# KiCad board TERES_PCB1-A64-MAIN_Rev.B.kicad_pcb (continued)
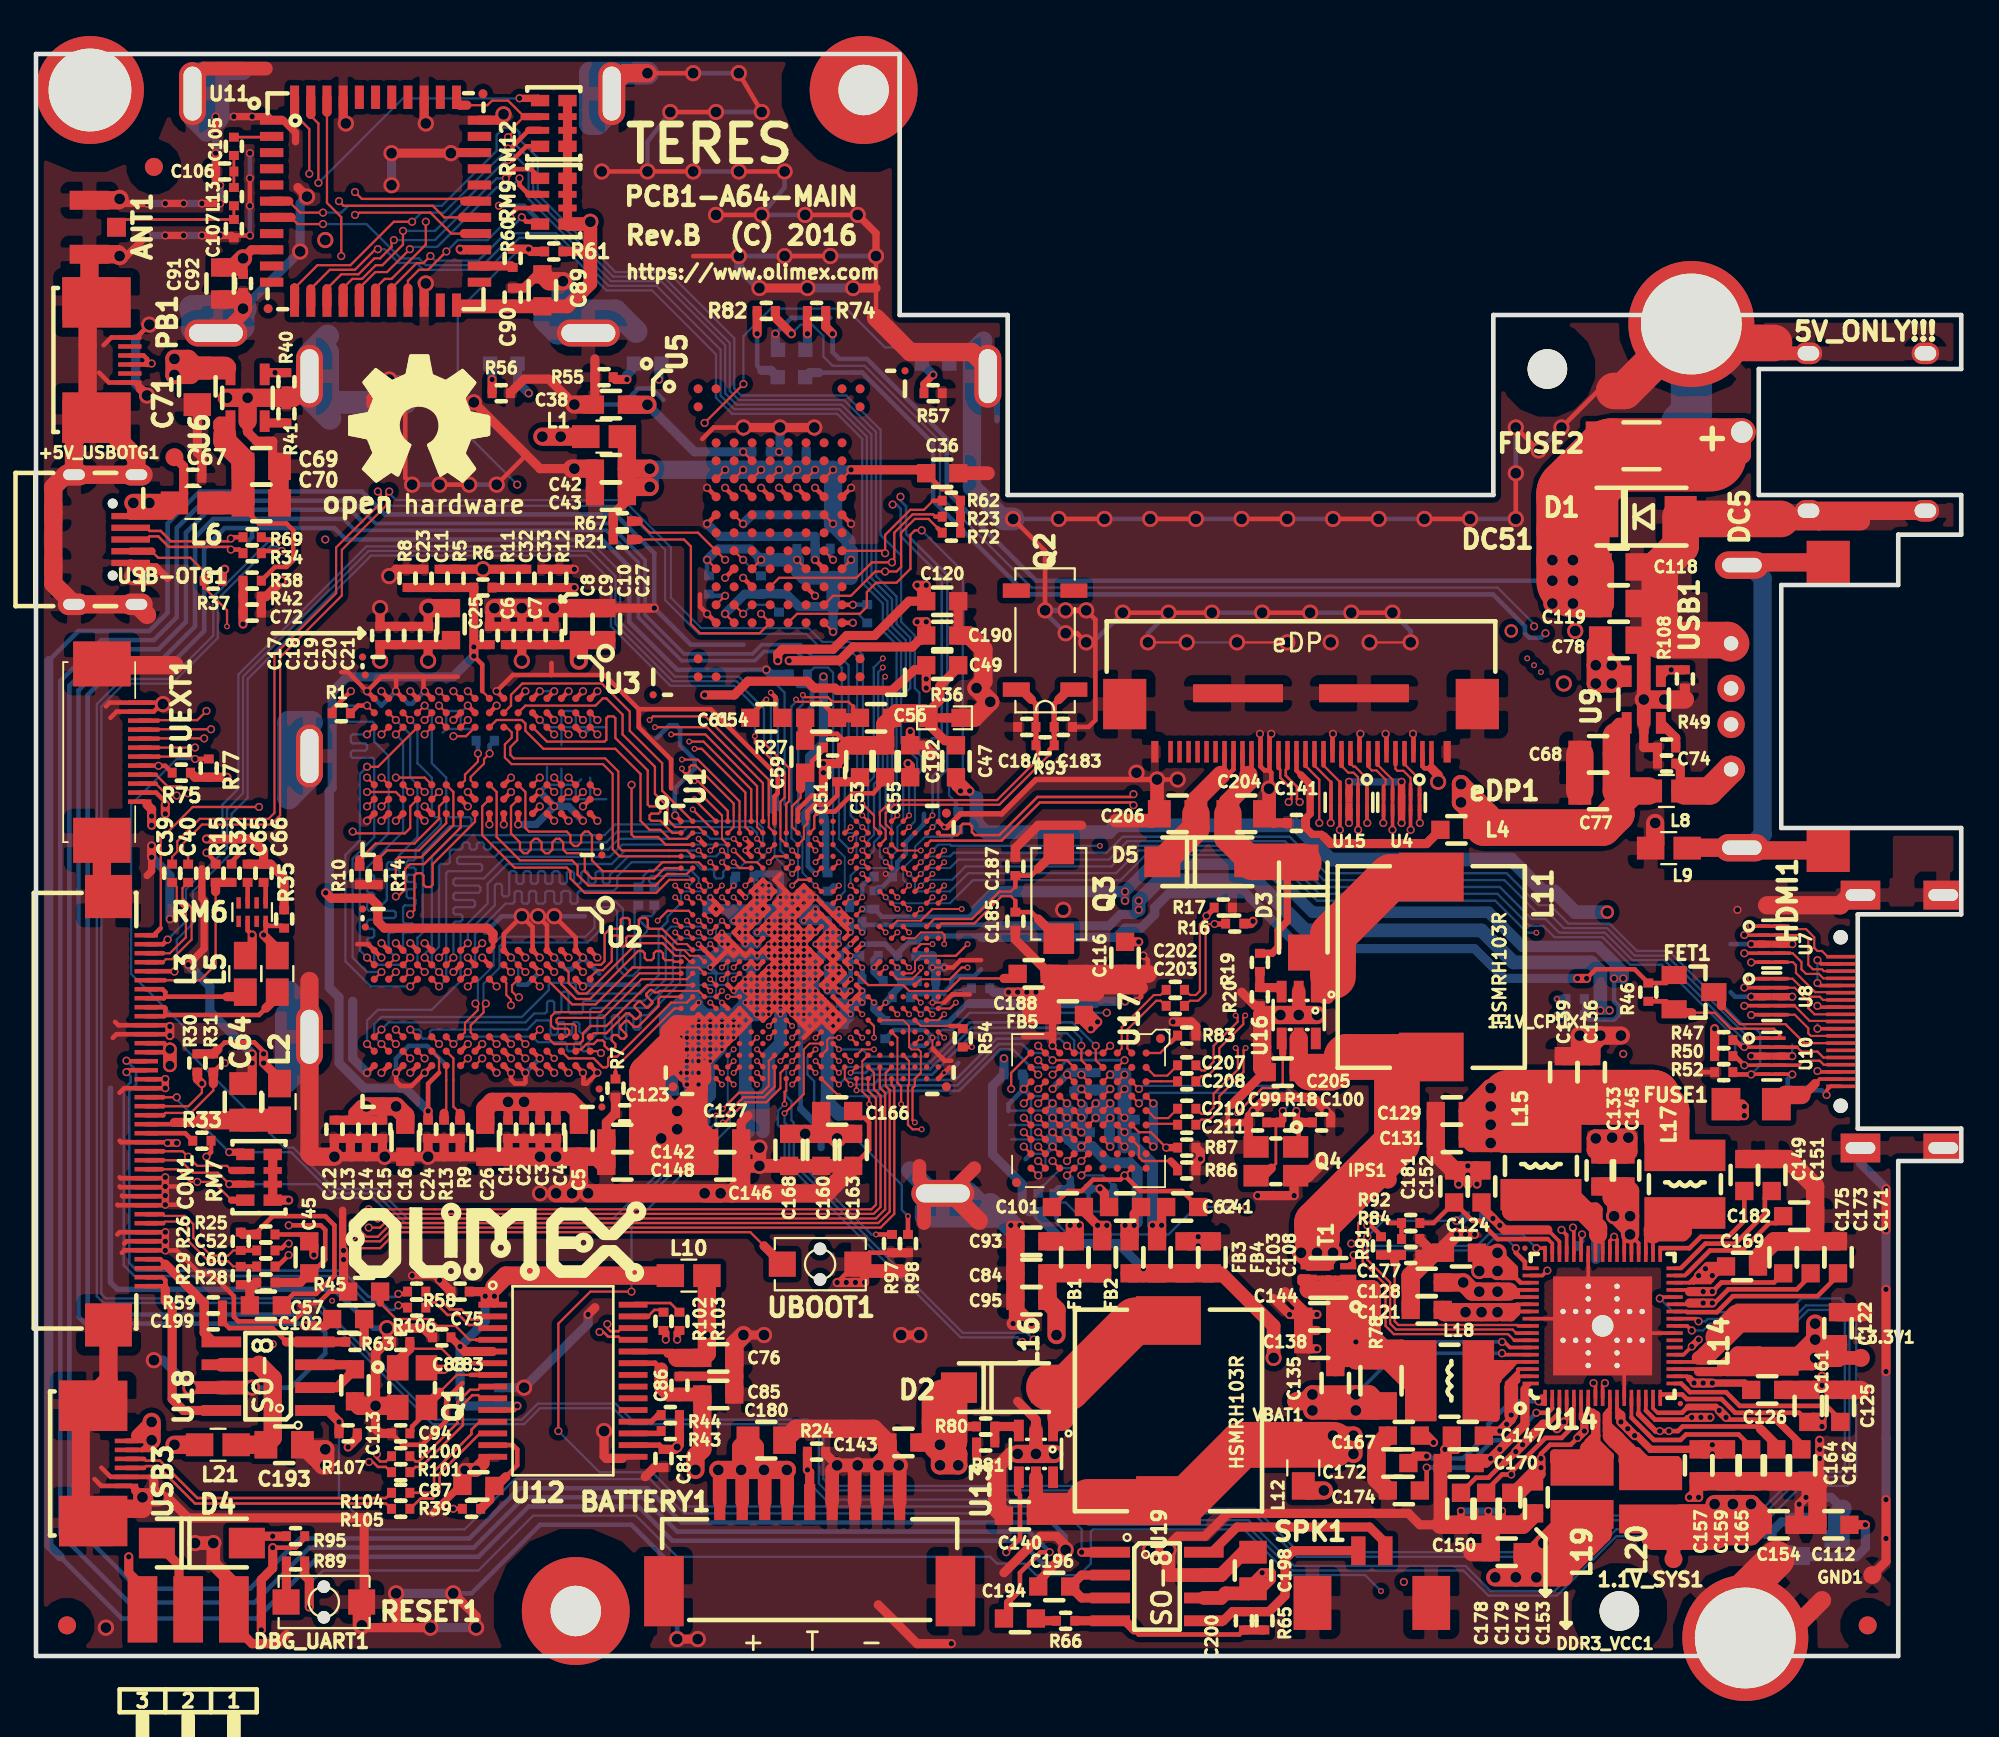
[diagram p0: board, top side]
## Routing (per net, layer and track width the routed paths; a pad name or vN(x,y) marks a point on that pad's centre or on a via; arc(x,y) is an arc through that point) (continued)
GNDA: length 128
  Top w0.254: 42.35,46.79 42.35,46.7 ; 42.35,46.79 U1.A11 ; 42.35,46.79 42.35,47.02 43.13,47.8 43.64,47.8 43.76,47.93 ; 45.16,50.6 44.53,51.23 43.13,51.23 C59.2 ; v2(14.05,23.93) 15.82,23.93 16.08,23.67 16.08,22.02 15.32,21.26 C45.1
  Top w0.508: 45.16,50.6 44.91,50.6 R27.2 44.78,49.84 C51.2 v2(43.76,49.58) v2(43.76,49.07) 43.76,47.93 ; v2(9.47,45.39) 12.01,45.39 12.65,44.76 C66.1 ; C66.1 C65.1 ; C66.1 13.03,43.99 13.79,43.23 R35.1 ; C45.1 14.68,20.75 R28.2 ; C47.1 50.88,50.85 50.52,50.85 49.61,51.76 R36.2 49.61,52.48 50.24,53.12 50.24,53.9 51.26,54.91 C49.2
  Top w0.762: C59.2 C54.1
  Top w1.016: 45.16,50.6 C53.2 C55.2 47.19,51.74 C56.1 47.83,52.38 49.35,52.38 R36.2
  In3.Cu w0.508: v2(14.05,23.93) 13.28,24.69 13.28,29.52 11.25,31.55 11.25,33.2 10.24,34.21 10.24,35.61 9.22,36.63 9.22,43.48 8.71,43.99 8.71,45.01 9.09,45.39 v2(9.47,45.39) 9.47,48.56 11.25,50.34 11.25,53.26 15.19,57.2 15.19,62.28 18.87,65.96 26.87,65.96 27.76,65.08 31.7,65.08 34.37,62.41 34.37,59.61 35.38,58.6 35.38,57.96 37.16,56.19 38.56,56.19 39.83,54.91 39.83,53.01 40.59,52.25 40.84,52.25 43.51,49.58 v2(43.76,49.58) v2(43.76,49.07)
  Bottom w0.406: C50.1 43.89,46.32 43.89,43.62 C46.2
  Bottom w0.508: C50.1 43.76,46.44 v2(43.76,49.07) v2(43.76,49.58)
VBAT: length 95.4
  Top w0.203: v2(81.48,16.82) 81.56,16.74 U14.64
  Top w0.762: v1(37.92,10.34) 38,10.26 BATTERY1.9 ; v1(39.19,10.34) 39.25,10.28 BATTERY1.8 ; v1(40.46,10.34) 40.5,10.3 BATTERY1.7 ; v1(41.73,10.34) 41.75,10.32 BATTERY1.6
  Top w1.016: 41.73,10.34 v1(41.73,10.34) v1(40.46,10.34) ; v1(40.46,10.34) v1(39.19,10.34) ; v1(40.46,10.34) 40.46,10.34 ; v1(40.46,10.34) 39.95,10.85 39.95,11.61 C180.2 39.19,11.61 v1(39.19,10.34) ; v1(39.19,10.34) 39.19,10.34 ; v1(39.19,10.34) v1(37.92,10.34) 37.92,10.34 ; v1(73.35,13.64) 74.5,13.64 R78.2 74.12,14.53 v1(73.35,14.53) ; v1(73.35,13.64) v1(73.35,14.53) ; v1(73.35,13.64) 72.21,13.64 ; v1(73.35,14.53) v1(70.94,14.53) ; 72.21,13.64 v1(70.94,13.64) v1(70.94,14.53) ; 72.21,13.64 C135.2 ; v1(70.94,14.53) 70.56,14.15 VBAT1.1
  In3.Cu w1.016: v1(73.35,14.53) 72.34,15.55 70.05,15.55 69.42,14.91 69.42,13.64 v1(70.94,13.64) ; v1(73.35,14.53) v1(73.35,13.64) v1(70.94,13.64) ; v1(73.35,14.53) v1(70.94,14.53) v1(70.94,13.64) ; 41.35,9.7 39.83,9.7 v1(39.19,10.34) ; 41.35,9.7 43.13,7.92 ; 41.35,9.7 41.73,10.08 v1(41.73,10.34) v1(40.46,10.34) v1(39.19,10.34) ; 38.43,9.83 v1(37.92,10.34) v1(39.19,10.34)
  In3.Cu w2.032: 38.43,9.83 40.34,7.92 41.73,7.92
  In3.Cu w4.064: 69.42,13.64 64.34,8.56 53.03,8.56 52.4,7.92 41.73,7.92
  Bottom w0.203: v2(81.48,16.82) 75.64,16.82 v1(73.35,14.53)
VCC-PE: length 10.1
  Top w0.203: 91.77,19.1 91.73,19.14 U14.28
  Top w0.254: 91.77,19.1 93.42,19.1 94.31,19.99 99.01,19.99 100.15,21.13 C171.1
VCC-PL: length 183.1
  Top w0.107: U1.T17 v4(46.57,36.3)
  Top w0.127: U1.J16 v4(45.93,41.5)
  Top w0.203: 91.9,19.61 91.83,19.54 U14.29
  Top w0.254: C173.1 98.63,21.13 97.87,20.37 94.06,20.37 93.29,19.61 v2(93.17,19.61)
  Top w0.508: 91.9,19.61 v2(92.66,19.61) v2(93.17,19.61) ; 23.7,74.98 23.44,74.98 U11.22 ; RM9.1.1 RM9.2.1 RM9.3.1 RM9.4.1 RM12.1.1 RM12.2.1 RM12.3.1 RM12.4.1 ; R61.2 30.81,78.03
  Top w0.762: RM9.1.1 30.68,79.55 v1(30.81,79.68) 30.81,76.25 29.54,74.98 C89.2 C90.2 23.7,74.98
  In3.Cu w0.508: v2(87.71,37.64) v2(88.21,37.64) 89.87,37.64 91.39,36.12 91.39,31.55 93.8,29.13 93.8,23.17 94.69,22.28 94.69,20.62 93.68,19.61 v2(93.17,19.61) v2(92.66,19.61) ; v2(60.53,36.37) v2(60.53,41.96) v2(60.53,42.47) 60.53,44.5 59,46.02 59,52.12 52.78,58.34 52.78,61.27 52.02,62.03 52.02,66.6 44.53,74.09 38.94,74.09 33.35,79.68 v1(30.81,79.68)
  Bottom w0.254: R88.2 R90.2 86.31,35.36 87.71,35.36 87.96,35.61 87.96,36.12 87.71,36.37 v2(87.71,37.64) ; C109.1 47.02,41.07 51.87,41.07 52.3,41.5
  Bottom w0.305: 51.89,36.25 51.75,36.25 50.7,35.2 47.31,35.2 C110.2
  Bottom w0.406: C109.1 46.59,41.5 v4(45.93,41.5) ; C110.2 46.57,35.93 v4(46.57,36.3)
  Bottom w0.508: 51.89,36.25 58.88,36.25 59,36.37 v2(60.53,36.37) ; v2(60.53,42.47) v2(60.53,41.96) ; v2(88.21,37.64) v2(87.71,37.64) 87.71,38.53
  Bottom w0.635: v2(88.21,37.64) 88.21,38.02 86.82,39.42 82.63,39.42 80.72,41.33 70.94,41.33 68.28,43.99 62.05,43.99 v2(60.53,42.47) 53.27,42.47 52.3,41.5
VDDFB-CPUX: length 81.5
  Top w0.107: U1.T6 v4(38.45,36.62)
  Top w0.203: U14.42 87.47,23.06 v2(87.71,23.29) 87.87,23.13 U14.41
  In4.Cu w0.254: v2(87.71,23.29) 86.31,24.69 84.66,24.69 83.64,25.7 78.18,25.7 77.04,24.56 73.74,24.56 72.47,23.29 69.93,23.29 65.74,19.1 36.27,19.1 31.7,23.67 31.7,29.13 32.97,30.4 32.97,32.44 36.4,35.86 38.43,35.86 38.68,36.12 38.68,36.39 v4(38.45,36.62)
/eDP LCD/BKLT_ON: length 75.6
  Top w0.107: U1.AC10 41.7,31.42
  Top w0.127: 71.97,48.55 71.06,49.47 ; v4(66.75,30.15) 68.15,31.55 69.04,31.55 69.29,31.8 69.29,33.45 ; 41.7,31.42 41.6,31.33 v4(41.6,30.66)
  Top w0.203: v2(71.96,46.28) 71.97,46.3 U15.6 U15.5 71.97,48.55
  Top w0.254: 71.06,49.47 eDP1.14
  Top w0.406: 69.29,33.45 69.29,34.25 U16.4
  In3.Cu w0.127: v2(71.96,46.28) 71.96,45.9 71.45,45.39 71.2,45.39 66.88,41.07 66.88,40.44 64.97,38.53 64.97,34.21 66.75,32.44 v4(66.75,30.15) 66.75,20.37 64.59,18.21 58.12,18.21 56.97,17.07 55.19,17.07 v2(54.81,17.45)
  Bottom w0.127: v2(54.81,17.45) 54.56,17.7 51.38,17.7 41.6,27.48 41.6,29.13 41.22,29.52 41.22,30.28 v4(41.6,30.66)
/eDP LCD/BKLT_PWM: length 71.2
  Top w0.107: 42.68,31.22 42.68,33.7 43,34.03 U1.Y13
  Top w0.127: v2(71.32,46.28) 71.32,48.69 70.56,49.45 ; 42.68,31.22 v4(41.6,30.15)
  Top w0.254: 70.56,49.46 70.56,49.45 eDP1.15
  In3.Cu w0.127: v2(55.45,17.58) 56.34,18.47 64.47,18.47 66.37,20.37 66.37,32.44 64.72,34.09 64.72,38.66 66.62,40.56 66.62,41.2 71.32,45.9 v2(71.32,46.28)
  Bottom w0.127: v4(41.6,30.15) 41.6,29.64 41.86,29.39 41.86,27.61 51.51,17.96 55.07,17.96 v2(55.45,17.58)
/eDP LCD/eDP_AGND: length 39.9
  Top w0.127: v2(57.3,32.3) U17.F3 ; U17.B9 v2(60.5,26.7) ; U17.A4 v2(62.1,30.7) ; U17.A7 v2(62.1,28.3) ; U17.E3 v2(58.1,32.3) ; U17.G3 v2(56.5,31.5)
  Top w0.254: C101.1 57.35,25.83 58.12,25.83 58.75,26.47 60.27,26.47 v2(60.5,26.7) 61.37,25.83 63.7,25.83 C41.1
  Top w0.508: v2(59,35.23) v2(58.62,34.85) 58.24,35.23 FB5.1 58.62,35.61 v2(59,35.23)
  In3.Cu w0.127: 59.7,33.3 59.3,33.7 59.3,34.6
  In3.Cu w0.406: 59.9,33.3 60.3,33.7 ; v2(57.3,32.3) v2(56.5,31.5)
  In3.Cu w0.508: 58.87,34.6 v2(58.62,34.85) v2(59,35.23) ; 58.87,34.6 59,34.6 v2(59,35.23) ; 58.87,34.6 60.2,34.6 60.7,34.1 ; v2(60.5,26.7) 60.9,26.7 62.1,27.9 v2(62.1,28.3) v2(62.1,30.7) 62.1,31.6 61.1,32.6 61.1,33.7 60.7,34.1 ; 60.7,34.1 60.3,33.7 ; v2(59,35.23) 59,35.23 ; 59.9,33.3 59.7,33.3 58.7,32.3 v2(58.1,32.3) v2(57.3,32.3)
  Bottom w0.406: v2(56.5,31.5) v2(57.3,32.3)
  Bottom w0.508: v2(62.1,28.3) 62.1,28.79 C48.1 C58.1 62.1,29.81 v2(62.1,30.7) ; C111.1 58.21,32.41 v2(58.1,32.3) 57.99,32.41 C104.1 57.41,32.41 v2(57.3,32.3)
/eDP LCD/EDP_AUX+: length 4.9
  Top w0.119: U17.C1 60.34,33.74 60.34,34.93 62.13,36.72 62.5,36.72 62.79,37.01 C202.1
/eDP LCD/EDP_AUX-: length 4.3
  Top w0.119: C203.1 62.79,36.12 62.5,36.4 62.26,36.4 60.66,34.8 60.66,33.74 U17.B1
/eDP LCD/EDP_AUX_N: length 26.5
  Top w0.119: 75.56,49.54 75.56,49.28 75.66,49.18 76,49.18 76.4,48.78 76.4,48.44 ; v2(65.5,40.67) 65.15,40.67 65,40.52 65,36.82 64.59,36.4 64.14,36.4 63.85,36.12 C203.2
  Top w0.203: v2(76.4,45.9) 76.4,45.91 U4.9 U4.2 76.4,48.44
  Top w0.254: 75.56,49.54 eDP1.5
  Top w0.305: v2(65.5,40.67) 66.09,40.67 R16.2
  In3.Cu w0.097: v2(76.4,45.9) 76.4,46.93 76.19,47.14 71.26,47.14 70.47,46.34 70.47,45.83 66.01,41.37 65.76,41.37 65.5,41.12 v2(65.5,40.67)
/eDP LCD/EDP_AUX_P: length 26
  Top w0.119: C202.2 63.85,37.01 64.14,36.72 64.46,36.72 64.69,36.95 64.69,40.65 65.05,41.02 v2(65.05,41.12) ; 76.9,48.44 76.9,48.45 76.69,48.65 76.69,48.91 76.06,49.55
  Top w0.203: v2(76.91,46.28) 76.9,46.3 U4.10 U4.1 76.9,48.44
  Top w0.254: 76.06,49.55 eDP1.4
  Top w0.305: v2(65.05,41.12) 65.48,41.55 R17.2
  In3.Cu w0.097: v2(76.91,46.28) 76.72,46.47 76.72,47.1 76.36,47.45 71.13,47.45 70.15,46.47 70.15,45.96 65.88,41.69 65.63,41.69 v2(65.05,41.12)
/eDP LCD/EDP_HPD_CON: length 41.9
  Top w0.127: 72.47,48.56 71.56,49.47
  Top w0.203: v2(72.47,45.9) 72.47,45.91 U15.7 U15.4 72.47,48.56
  Top w0.254: 71.56,49.47 eDP1.13
  In3.Cu w0.127: v2(72.47,45.9) 72.34,45.9 71.58,45.14 71.32,45.14 67.13,40.95 67.13,40.31 65.23,38.41 65.23,34.34 67.13,32.44 67.13,25.2 67.26,25.07 v2(67.26,24.94)
  Bottom w0.127: 56.72,24.31 56.72,24.05 57.35,23.42 62.94,23.42 64.47,24.94 v2(67.26,24.94)
  Bottom w0.254: 56.72,24.31 56.72,24.56 R22.2
/eDP LCD/EDP_LANE0+: length 2.2
  Top w0.119: C207.1 62.88,32.25 62.15,32.25 U17.A2
/eDP LCD/EDP_LANE0-: length 1.8
  Top w0.119: C208.1 61.73,31.93 U17.A3
/eDP LCD/EDP_LANE0_N: length 24.3
  Top w0.119: v4(67.21,35.59) 67.1,35.48 67.1,35.1 65.77,33.77 65.77,32.88 65.1,32.21 64.78,32.21 64.49,31.93 C208.2 ; 74.56,49.52 75.4,48.68
  Top w0.127: 75.4,48.31 75.4,48.68
  Top w0.203: v2(75.39,45.9) 75.4,45.91 U4.7 U4.4 75.4,48.31
  Top w0.254: 74.56,49.52 eDP1.7
  In3.Cu w0.097: v2(75.39,45.9) 75.1,45.9 74.88,45.67 74.88,44.66 74.18,43.96 73.04,43.96 70.72,41.64 70.72,40.63 67.1,37.01 67.1,35.69 v4(67.21,35.59)
/eDP LCD/EDP_LANE0_P: length 23.8
  Top w0.119: C207.2 64.49,32.82 64.78,32.53 64.97,32.53 65.45,33.01 65.45,33.9 66.78,35.23 66.78,35.48 v4(66.67,35.59) ; 74.9,48.33 75.01,48.44 75.01,48.69 74.5,49.2 74.24,49.2 74.06,49.39 74.06,49.45
  Top w0.203: v2(74.88,46.28) 74.9,46.3 U4.6 U4.5 74.9,48.33
  Top w0.254: eDP1.8 74.06,49.45 74.06,49.51
  In3.Cu w0.097: v2(74.88,46.28) 74.88,46.12 74.56,45.81 74.56,44.79 74.05,44.28 72.91,44.28 70.4,41.77 70.4,40.76 66.78,37.14 66.78,35.69 v4(66.67,35.59)
/eDP LCD/EDP_LANE1+: length 2.1
  Top w0.119: C210.1 62.93,29.88 62.19,29.88 61.78,30.3 U17.A5
/eDP LCD/EDP_LANE1-: length 1.8
  Top w0.119: 63.32,29.57 61.77,29.57 U17.A6 ; 63.32,29.64 C211.1
/eDP LCD/EDP_LANE1_N: length 26.9
  Top w0.119: 73.06,49.58 73.23,49.41 73.31,49.41 73.77,48.95 73.77,48.65 73.97,48.45 73.97,48.44 ; C211.2 64.49,29.52 64.78,29.8 65.23,29.8 65.77,30.34 65.77,31.1 67.11,32.45 67.11,33.66 v4(67.23,33.78)
  Top w0.203: v2(73.99,46.28) 73.97,46.3 U15.10 U15.1 73.97,48.44
  Top w0.254: 73.06,49.62 73.06,49.58 eDP1.10
  In3.Cu w0.097: v2(73.99,46.28) 73.99,45.31 73.53,44.85 72.55,44.85 69.58,41.88 69.58,41.01 66.13,37.56 66.13,35.19 67.11,34.2 67.11,33.9 v4(67.23,33.78)
/eDP LCD/EDP_LANE1_P: length 26.6
  Top w0.119: 73.47,48.44 73.47,48.83 73.23,49.07 72.94,49.07 72.56,49.45 ; C210.2 64.49,30.4 64.78,30.12 65.1,30.12 65.45,30.47 65.45,31.23 66.8,32.58 66.8,33.66 v4(66.67,33.78)
  Top w0.203: v2(73.48,45.9) 73.47,45.91 U15.9 U15.2 73.47,48.44
  Top w0.254: eDP1.11 72.56,49.45 72.56,49.49
  In3.Cu w0.097: v2(73.48,45.9) 73.67,45.71 73.67,45.44 73.4,45.17 72.41,45.17 69.26,42.01 69.26,41.14 65.81,37.69 65.81,35.06 66.8,34.07 66.8,33.9 v4(66.67,33.78)
/eDP LCD/eDP_RESET: length 28.9
  Top w0.127: v2(62.81,28.25) 61.96,29.1 61.3,29.1 U17.B6 ; U1.Y14 v4(44.62,33.7)
  Top w0.406: R87.1 v2(62.81,28.25)
  In3.Cu w0.127: v2(59.51,35.74) 59.74,35.51 60.01,35.51 61.54,33.98 61.54,32.82 62.56,31.8 62.56,28.5 v2(62.81,28.25)
  Bottom w0.107: 50.15,34.03 50.15,34.58
  Bottom w0.127: 50.15,34.58 50.38,34.8 50.95,34.8 51.89,35.74 v2(59.51,35.74) ; 50.15,34.03 49.43,33.3 46.32,33.3 45.93,33.7 v4(44.62,33.7)
/eDP LCD/HUSB3+: length 85.4
  Top w0.142: 69.06,49.34 69.15,49.24 69.15,48.79 69.78,48.17 69.78,47.6 v2(69.62,47.44) ; v2(18.51,10.78) 18.73,10.78 19,10.5 19.44,10.5 19.74,10.21 19.76,10.21
  Top w0.254: eDP1.18 69.06,49.34
  In3.Cu w0.119: v2(18.51,10.78) 18.51,11.97 19.06,12.52 20.59,12.52 24.14,16.08 50.3,16.08 54.24,20.02 63.51,20.02 65.33,21.83 65.33,32.18 63.8,33.71 63.8,41.44 69.62,47.26 v2(69.62,47.44)
/eDP LCD/HUSB3-: length 85.5
  Top w0.142: 19.76,11.1 19.74,11.1 19.44,10.81 19.13,10.81 18.94,11 v2(18.94,11.21) ; v2(70.23,47.44) 70.08,47.6 70.08,48.29 69.46,48.91 69.46,49.24 69.56,49.34
  Top w0.254: eDP1.17 69.56,49.34
  In3.Cu w0.119: v2(70.23,47.44) 64.11,41.32 64.11,33.83 65.63,32.31 65.63,21.7 63.64,19.71 54.37,19.71 50.43,15.77 24.27,15.77 20.71,12.22 19.19,12.22 19,12.03 19,11.86 19.13,11.73 19.38,11.73 19.51,11.61 19.51,11.48 19.38,11.35 19.08,11.35 v2(18.94,11.21)
/eDP LCD/LCDB2: length 12.3
  Top w0.107: 48.53,33.05 48.53,31.75
  Top w0.127: v4(49.22,29.26) 48.72,29.26 48.46,29.52 48.46,31.69 48.53,31.75 ; U17.H8 v2(55.7,28.3) ; U1.AA20 48.53,33.05
  In3.Cu w0.127: v2(55.7,28.3) 55.3,28.7 52.96,28.7 52.4,29.26 v4(49.22,29.26)
/eDP LCD/LCDB3: length 13.6
  Top w0.107: 45.93,33.05 45.93,31.35 46.3,30.97
  Top w0.127: U1.AA17 45.93,33.05 ; U17.H7 v2(55.7,29.1) ; 46.3,30.97 v4(46.3,30.66)
  In3.Cu w0.127: v2(55.7,29.1) 55.3,29.5 53.18,29.5 52.65,30.02 47.57,30.02 46.94,30.66 v4(46.3,30.66)
/eDP LCD/LCDB4: length 12.7
  Top w0.107: 47.88,34.35 47.88,31.85
  Top w0.127: v4(48.08,30.66) 48.08,31.64 47.88,31.85 ; 47.88,34.35 U1.W19 ; U17.H6 v2(55.7,29.9)
  In3.Cu w0.127: v2(55.7,29.9) 55.3,30.3 53.39,30.3 53.03,30.66 v4(48.08,30.66)
/eDP LCD/LCDB5: length 14
  Top w0.127: U1.AA14 v4(44.62,33.05) ; U17.J8 v2(54.9,28.3)
  In3.Cu w0.107: 44.95,32.72 44.95,31.42 44.95,31.42
  In3.Cu w0.127: 44.95,31.42 46.09,30.28 46.81,30.28 48.21,28.88 52.27,28.88 52.85,28.3 v2(54.9,28.3) ; v4(44.62,33.05) 44.95,32.72
/eDP LCD/LCDB6: length 14.7
  Top w0.107: 49.18,32.4 49.18,33.58 49.05,33.7 48.65,33.7 48.53,33.83 48.53,35 48.2,35.33 47.55,35.33
  Top w0.127: v4(48.84,29.64) 48.72,29.77 48.72,31.55 48.84,31.67 48.84,32.07 49.18,32.4 ; U17.J7 v2(54.9,29.1) ; U1.V18 47.55,35.33
  In3.Cu w0.127: v4(48.84,29.64) 52.53,29.64 53.07,29.1 v2(54.9,29.1)
/eDP LCD/LCDB7: length 12.4
  Top w0.127: U17.J6 v2(54.9,29.9) ; v4(45.28,33.05) U1.AA15
  In3.Cu w0.127: v2(54.9,29.9) 53.28,29.9 52.91,30.28 47.83,30.28 47.19,30.91 46.69,30.91 45.67,31.93 45.67,32.66 v4(45.28,33.05)
/eDP LCD/LCDCL: length 20.2
  Top w0.127: U17.J4 v2(54.9,30.7) ; U1.AB13 v4(43.32,33.05)
  In3.Cu w0.107: 43.65,33.38 44.83,33.38
  In3.Cu w0.127: v4(43.32,33.05) 43.65,33.38 ; 45.92,33.33 45.92,33.16 45.82,33.06 45.82,32.92 45.96,32.78 46.1,32.78 46.38,33.06 46.52,33.06 46.67,32.92 46.67,32.78 46.06,32.17 46.06,32.03 46.21,31.89 46.35,31.89 47.09,32.63 47.23,32.63 47.37,32.49 47.37,32.35 46.63,31.61 46.63,31.47 46.77,31.33 46.91,31.33 47.66,32.07 47.8,32.07 47.94,31.93 47.94,31.79 47.57,31.42 47.57,31.17 47.7,31.04 47.96,31.04 48.21,31.29 48.46,31.29 48.72,31.04 53.16,31.04 53.5,30.7 v2(54.9,30.7) ; 45.92,33.33 45.92,33.31 ; 45.92,33.33 45.54,33.71 45.16,33.71 44.83,33.38
/eDP LCD/LCDDE: length 16
  Top w0.127: U17.H9 v2(55.7,27.5) ; v4(43.32,32.4) U1.AB12
  In3.Cu w0.127: v2(55.7,27.5) 52.64,27.5 52.02,28.12 47.96,28.12 46.56,29.52 45.92,29.52 45.16,30.28 44.4,30.28 43.76,30.91 43.76,31.96 v4(43.32,32.4)
/eDP LCD/LCDG2: length 16.2
  Top w0.127: U1.Y11 v4(42.03,33.7) ; U17.H4 v2(55.7,30.7)
  In3.Cu w0.107: U1.Y11 45.6,34.03
  In3.Cu w0.127: v4(42.03,33.7) U1.Y11 ; v2(55.7,30.7) 55.3,31.1 53.61,31.1 53.29,31.42 48.84,31.42 46.94,33.33 46.43,33.33 45.73,34.03 45.6,34.03
/eDP LCD/LCDG3: length 12.1
  Top w0.107: 45.93,33.7 v4(46.57,33.7)
  Top w0.127: v2(54.2,31.5) 54.2,32.4 U17.J1 ; U1.AA16 45.93,33.7
  In3.Cu w0.127: v2(54.2,31.5) 53.7,31.5 53.53,31.67 48.97,31.67 46.94,33.7 v4(46.57,33.7)
/eDP LCD/LCDG4: length 11.7
  Top w0.107: 46.57,35 v4(46.57,34.35)
  Top w0.127: U17.J2 v2(55.7,32.3) ; U1.V17 46.57,35
  In3.Cu w0.127: v2(55.7,32.3) 54.42,32.3 54.31,32.18 51.51,32.18 50.88,32.82 48.59,32.82 47.06,34.35 v4(46.57,34.35)
/eDP LCD/LCDG5: length 14.7
  Top w0.107: 43.97,33.7 43.97,34.22 44.1,34.35 v4(44.62,34.35)
  Top w0.127: 43.97,33.7 U1.AA13 ; U17.H2 v2(55.7,33.1)
  In3.Cu w0.107: 45.28,35 47.22,35
  In3.Cu w0.127: v4(44.62,34.35) 45.28,35 ; v2(55.7,33.1) 54.45,33.1 54.04,32.69 51.76,32.69 51.13,33.33 48.9,33.33 47.22,35
/eDP LCD/LCDG6: length 12
  Top w0.127: U17.H3 v2(55.7,31.5) ; U1.W16 v4(45.93,34.35)
  In3.Cu w0.107: 46.25,34.03 46.9,34.03
  In3.Cu w0.127: v2(55.7,31.5) 55.3,31.9 53.7,31.9 53.67,31.93 49.1,31.93 47,34.03 46.9,34.03 ; v4(45.93,34.35) 46.25,34.03
/eDP LCD/LCDG7: length 14.3
  Top w0.127: U1.Y16 v4(45.28,34.35) ; U17.H1 v2(55.7,33.9)
  In3.Cu w0.107: 46.9,34.67 45.6,34.67 v4(45.28,34.35)
  In3.Cu w0.127: 46.9,34.67 47.11,34.67 48.72,33.07 51,33.07 51.64,32.44 54.18,32.44 54.45,32.7 55.9,32.7 56.1,32.9 U17.H1 v2(55.7,33.9)
/eDP LCD/LCDHS: length 18.5
  Top w0.127: v4(42.03,32.4) U1.AB11 ; U17.G9 v2(56.5,27.5)
  In3.Cu w0.107: 43,32.72 43.65,32.72
  In3.Cu w0.127: v2(56.5,27.5) 56.1,27.9 52.75,27.9 52.15,28.5 48.08,28.5 46.69,29.9 46.05,29.9 45.29,30.66 44.53,30.66 44.15,31.04 44.15,32.23 43.65,32.72 ; 43,32.72 U1.AB11 v4(42.03,32.4)
/eDP LCD/LCDR2: length 14.4
  Top w0.107: U1.AC16 v4(45.6,31.42)
  Top w0.127: v2(56.5,33.1) 57.3,33.1 U17.F2
  Bottom w0.127: 55.3,33.5 56.1,33.5 v2(56.5,33.1)
  Bottom w0.152: 55.3,33.5 54.8,34 53.5,34 51.2,31.7 47.1,31.7 46.82,31.42 v4(45.6,31.42)
/eDP LCD/LCDR3: length 16.3
  Top w0.127: U17.E2 58.1,33.1 v2(58.1,33.9) ; v4(45.28,32.4) U1.AB16
  Bottom w0.127: v2(58.1,33.9) 58.1,34.3 57.5,34.9 ; v4(45.28,32.4) 45.93,32.4
  Bottom w0.152: 57.5,34.9 52,34.9 49.7,32.6 46.3,32.6 46.1,32.4 45.93,32.4
/eDP LCD/LCDR4: length 14.9
  Top w0.107: U1.AB15 44.95,32.08
  Top w0.127: 44.95,32.08 v4(45.28,31.75) ; U17.F1 v2(57.3,33.9)
  Bottom w0.107: v4(45.28,31.75) 45.93,31.75
  Bottom w0.127: v2(57.3,33.9) 56.9,34.3 55.4,34.3
  Bottom w0.152: 45.93,31.75 46.55,31.75 46.8,32 51.1,32 53.4,34.3 55.4,34.3
/eDP LCD/LCDR5: length 17.8
  Top w0.127: U17.D2 58.9,33.1 v2(58.9,33.9) ; U1.AB14 v4(44.62,32.4)
  Bottom w0.107: 44.95,32.72 45.93,32.72
  Bottom w0.127: v2(58.9,33.9) 57.6,35.2 ; v4(44.62,32.4) 44.95,32.72
  Bottom w0.152: 45.93,32.72 46.1,32.9 49.6,32.9 51.9,35.2 57.6,35.2
/eDP LCD/LCDR6: length 18.2
  Top w0.127: U1.AC14 v4(44.62,31.75) ; U17.D1 v2(59.7,33.9)
  Bottom w0.107: 44.95,32.08 45.93,32.08
  Bottom w0.127: v2(59.7,33.9) U17.D1 57.9,33.5 57.7,33.7 57.7,34.2 57.3,34.6 ; v4(44.62,31.75) 44.95,32.08
  Bottom w0.152: 45.93,32.08 46.28,32.08 46.5,32.3 49.8,32.3 52.1,34.6 57.3,34.6
/eDP LCD/LCDR7: length 19.5
  Top w0.127: v4(44.62,31.1) U1.AC13 ; U17.C2 v2(60.5,33.1)
  Bottom w0.107: v4(44.62,31.1) 45.93,31.1
  Bottom w0.127: 56.9,32.7 55.3,32.7
  Bottom w0.152: 56.9,32.7 57.3,33.1 v2(60.5,33.1) ; 55.3,32.7 54.3,33.7 53.6,33.7 51.3,31.4 47.4,31.4 47.1,31.1 45.93,31.1
/eDP LCD/LCDVS: length 18.4
  Top w0.127: v4(42.03,31.75) U1.AC11 ; U17.F8 v2(57.3,27.5)
  In3.Cu w0.127: v2(57.3,27.5) 57.1,27.5 56.7,27.1 52.53,27.1 51.89,27.74 47.83,27.74 46.43,29.13 45.92,29.13 45.16,29.9 44.27,29.9 42.42,31.75 v4(42.03,31.75)
/eDP LCD/VDC12V: length 17.9
  Top w0.254: eDP1.22 67.06,49.27 67.39,48.95 67.56,49.12 eDP1.21
  Top w0.406: D3.1 69.54,43.19 69.54,40.82 69.04,40.31 69.04,39.37 68.7,39.04 R19.1
  Top w1.016: 67.39,48.95 67.39,48.56 66.24,47.42 C204.1
  Top w1.524: C204.1 66.24,45.48 D5.2
  Top w2.032: D5.2 70.39,44.12 D3.1
/eDP LCD/VLED38V: length 9.3
  Top w0.254: eDP1.24 66.06,49.14 65.86,48.95 66.24,48.95 66.56,49.26 eDP1.23
  Top w1.016: 65.86,48.95 64.47,47.55 C206.1
  Top w1.524: C206.1 64.47,45.98 D5.1
/NAND Flash , eMMC, T-Card and Audio/FC_MIC_N: length 7.7
  Top w0.119: 7.07,24.04 7.16,24.13 8.15,24.13 8.43,23.86 8.43,23.1 9.6,21.93 10.68,21.93 10.97,21.64 R29.1
  Top w0.254: CON1.8 7.07,24.04 ; C60.1 R29.1
/NAND Flash , eMMC, T-Card and Audio/FC_MIC_P: length 7.7
  Top w0.119: 7.04,24.54 7.13,24.45 8.28,24.45 8.74,23.99 8.74,23.23 9.73,22.24 10.68,22.24 10.97,22.53 R26.1
  Top w0.254: R26.1 C52.1 ; CON1.9 7.04,24.54
/NAND Flash , eMMC, T-Card and Audio/HBIAS: length 65.6
  Top w0.127: v2(12.39,47.17) 8.71,47.17 6.93,45.39 6.93,40.44 ; 43.65,44.42 v4(43.32,44.1)
  Top w0.254: 6.93,40.44 6.54,40.04 CON1.40
  In3.Cu w0.107: 43.97,44.75 43.97,45.73
  In3.Cu w0.127: 43.97,45.73 43.97,45.81 43.26,46.53 42.75,46.53 40.59,48.69 39.83,48.69 38.18,50.34 38.18,51 31.19,57.99 31.19,61.01 30.43,61.77 19,61.77 17.47,60.25 17.47,56.57 13.41,52.5 13.41,48.18 v2(12.39,47.17) ; v4(43.32,44.1) 43.97,44.75
/NAND Flash , eMMC, T-Card and Audio/HP-DET: length 59.2
  Top w0.127: 42.35,44.42 v4(42.03,44.75)
  Top w0.254: v2(9.47,44.63) 9.98,44.12 R15.2
  Bottom w0.127: v2(9.47,44.63) 10.36,45.52 10.36,47.3 11.25,48.18 11.25,54.53 18.36,61.65 31.06,61.65 32.46,60.25 32.46,57.45 35.51,54.41 39.06,54.41 39.45,54.03 41.1,54.03 41.6,53.52 41.6,47.3 41.7,47.2 41.7,45.08 v4(42.03,44.75)
/NAND Flash , eMMC, T-Card and Audio/HPOUTL: length 60.3
  Top w0.127: U1.C13 v4(43.32,45.4)
  Top w0.254: 12.64,40.07 v2(12.65,40.06) 12.76,40.17 RM6.4.1 12.76,40.7 12.9,40.56 13.67,40.56 R35.2
  Top w0.508: v2(12.65,40.06) 13.41,39.29 L5.1
  In3.Cu w0.203: v2(12.65,40.06) 12.65,45.64 14.17,47.17 14.17,52.25 18.36,56.44 18.36,59.99 19.43,61.06 30.12,61.06 30.56,60.63 30.56,57.71 37.41,50.85 37.41,50.09 39.57,47.93 40.34,47.93 42.37,45.9 42.83,45.9 v4(43.32,45.4)
/NAND Flash , eMMC, T-Card and Audio/HPOUTR: length 61.1
  Top w0.127: U1.C12 v4(43.32,44.75)
  Top w0.254: v2(12.01,40.06) 11.76,40.31 RM6.2.1
  Top w0.508: v2(12.01,40.06) 12.01,39.29 L3.1
  In3.Cu w0.107: 43.65,45.08 43.65,45.7
  In3.Cu w0.127: v4(43.32,44.75) 43.65,45.08
  In3.Cu w0.203: v2(12.01,40.06) 12.27,40.31 12.27,45.9 13.79,47.42 13.79,52.38 17.98,56.57 17.98,60.12 19.3,61.44 30.25,61.44 30.89,60.81 30.89,57.86 37.79,50.95 37.79,50.22 39.7,48.31 40.46,48.31 42.54,46.23 43.12,46.23 43.65,45.7
/NAND Flash , eMMC, T-Card and Audio/HS-MIC: length 62.2
  Top w0.127: v4(40.46,50.72) 41.86,49.33 41.86,47.49 41.7,47.34 U1.B10
  Top w0.254: v2(7.31,39.8) 7.06,39.54 CON1.39
  Bottom w0.127: v4(40.46,50.72) 40.46,52.63 38.94,54.15 35.38,54.15 32.21,57.33 32.21,59.99 30.81,61.39 18.49,61.39 11.51,54.41 11.51,47.93 10.62,47.04 10.62,44.88 8.33,42.6 8.33,40.82 v2(7.31,39.8)
/NAND Flash , eMMC, T-Card and Audio/HUSB2-D+: length 29.1
  Top w0.254: v2(20.14,19.48) 20.52,19.48 R106.1 ; v2(5.03,32.44) 5.14,32.54 CON1.25
  Bottom w0.142: v2(5.03,32.44) 5.26,32.21 5.26,31.86 4.88,31.48 4.88,21.7 5.47,21.11 16.9,21.11 18.36,19.65 19.21,19.65 19.63,19.23 19.89,19.23 v2(20.14,19.48)
/NAND Flash , eMMC, T-Card and Audio/HUSB2-D-: length 29.1
  Top w0.254: v2(20.14,20.12) 20.52,20.12 R58.1 ; v2(5.03,33.07) 5.06,33.04 CON1.26
  Bottom w0.142: v2(5.03,33.07) 5.56,32.54 5.56,31.74 5.18,31.36 5.18,21.83 5.6,21.41 17.03,21.41 18.49,19.95 19.98,19.95 v2(20.14,20.12)
/NAND Flash , eMMC, T-Card and Audio/LINEOUT_L: length 181.6
  Top w0.127: 45.6,44.42 v4(45.28,44.1)
  Top w0.254: 54.05,2.97 54.69,3.61 54.69,4.62 55.83,5.77 v2(56.34,5.77)
  Top w0.508: 54.05,2.97 54.05,2.34 C194.2
  Bottom w0.107: 45.6,44.42 45.6,45.6 45.47,45.73 45.07,45.73 44.95,45.85 44.95,46.38
  Bottom w0.127: v4(45.28,44.1) 45.6,44.42 ; 44.95,46.38 44.95,49.65 45.16,49.86 45.16,55.04 44.65,55.55 43.13,55.55 43,55.68
  Bottom w0.203: 43,55.68 42.49,56.19 40.34,56.19 39.83,55.68 36.02,55.68 33.86,57.84 33.86,60.88 31.83,62.92 18.87,62.92 17.6,64.19
  Bottom w0.254: v2(56.34,5.77) 55.19,6.91 35.64,6.91 33.73,8.81 27.13,8.81 24.33,6.02 15.19,6.02 12.14,2.97 5.16,2.97 1.35,6.78 1.35,54.15 3.63,56.44 6.55,56.44 7.82,57.71 7.82,62.66 9.35,64.19 17.6,64.19
/NAND Flash , eMMC, T-Card and Audio/LINEOUT_R: length 115.1
  Top w0.127: U1.C16 v4(45.28,44.75)
  Top w0.508: v2(14.94,18.34) 16.08,18.34 C102.2
  Bottom w0.107: 44.62,45.4 44.62,47.02
  Bottom w0.127: v4(45.28,44.75) 44.62,45.4 ; 44.62,47.02 44.62,49.81 44.78,49.96 44.78,54.91 44.4,55.3 42.78,55.3
  Bottom w0.203: 17.09,63.17 17.73,62.53 31.7,62.53 33.48,60.76 33.48,57.71 35.89,55.3 39.95,55.3 40.46,55.8 42.27,55.8 42.78,55.3
  Bottom w0.254: v2(14.94,18.34) 14.81,18.47 2.74,18.47 2.36,18.85 2.36,53.65 4.14,55.42 7.06,55.42 8.84,57.2 8.84,62.15 9.86,63.17 17.09,63.17
/NAND Flash , eMMC, T-Card and Audio/MBIAS: length 87.1
  Top w0.127: U1.E14 v4(44.62,44.1)
  Top w0.254: 14.94,23.29 14.81,23.29 14.68,23.42 R25.2
  Top w0.508: 14.94,23.29 C45.2 15.44,22.78 v2(15.44,22.28)
  In3.Cu w0.127: v4(44.62,44.1) 44.62,46.43 43.76,47.3 43,47.3 40.84,49.45 40.08,49.45 38.94,50.6 38.94,51.23 37.67,52.5 37.67,53.65 37.29,54.03 36.14,54.03 31.95,58.22 31.95,61.65 31.06,62.53 18.49,62.53 16.71,60.76 16.71,56.82 12.65,52.76 12.65,48.82 10.87,47.04 10.87,37.77 14.17,34.47 14.17,31.17 14.94,30.4 14.94,26.97 15.7,26.21 15.7,22.66 15.44,22.4 v2(15.44,22.28)
/NAND Flash , eMMC, T-Card and Audio/MICIN1_N: length 86
  Top w0.127: U1.B16 v4(45.28,45.4)
  Top w0.254: v2(14.05,22.28) 13.41,21.64 C60.2
  In3.Cu w0.097: v2(14.05,22.28) 15.09,23.32 15.09,25.9 14.33,26.66 14.33,30.03 13.7,30.67 13.7,34.15 10.39,37.45 10.39,47.36 12.17,49.13 12.17,52.94 16.24,57.01 16.24,60.95 18.3,63.01 31.25,63.01 32.43,61.83 32.43,58.33 36.38,54.38 37.73,54.38 38.1,54.01 38.1,52.59 39.28,51.41 39.28,50.76 40.16,49.88 40.8,49.88 43.03,47.66 44.04,47.66 44.91,46.79 44.91,45.76 v4(45.28,45.4)
/NAND Flash , eMMC, T-Card and Audio/MICIN1_P: length 85.8
  Top w0.127: U1.B15 v4(45.28,46.05)
  Top w0.254: C52.2 13.41,22.66 13.67,22.66 13.92,22.91 v2(14.05,22.91)
  In3.Cu w0.097: v2(14.05,22.91) 14.23,22.91 14.78,23.46 14.78,25.77 14.01,26.53 14.01,29.9 13.38,30.53 13.38,34.02 10.08,37.32 10.08,47.49 11.86,49.27 11.86,53.08 15.92,57.14 15.92,61.08 18.17,63.33 31.38,63.33 32.75,61.97 32.75,58.46 36.52,54.69 37.86,54.69 38.41,54.14 38.41,52.72 39.59,51.54 39.59,50.9 40.29,50.2 40.93,50.2 43.16,47.97 44.18,47.97 45.11,47.04 45.24,47.04 45.37,46.91 45.37,46.62 45.14,46.38 45.14,46.17 45.26,46.05 v4(45.28,46.05)